# Altium PCB Flow_Pump.PcbDoc (part 1 of 5) (continued)
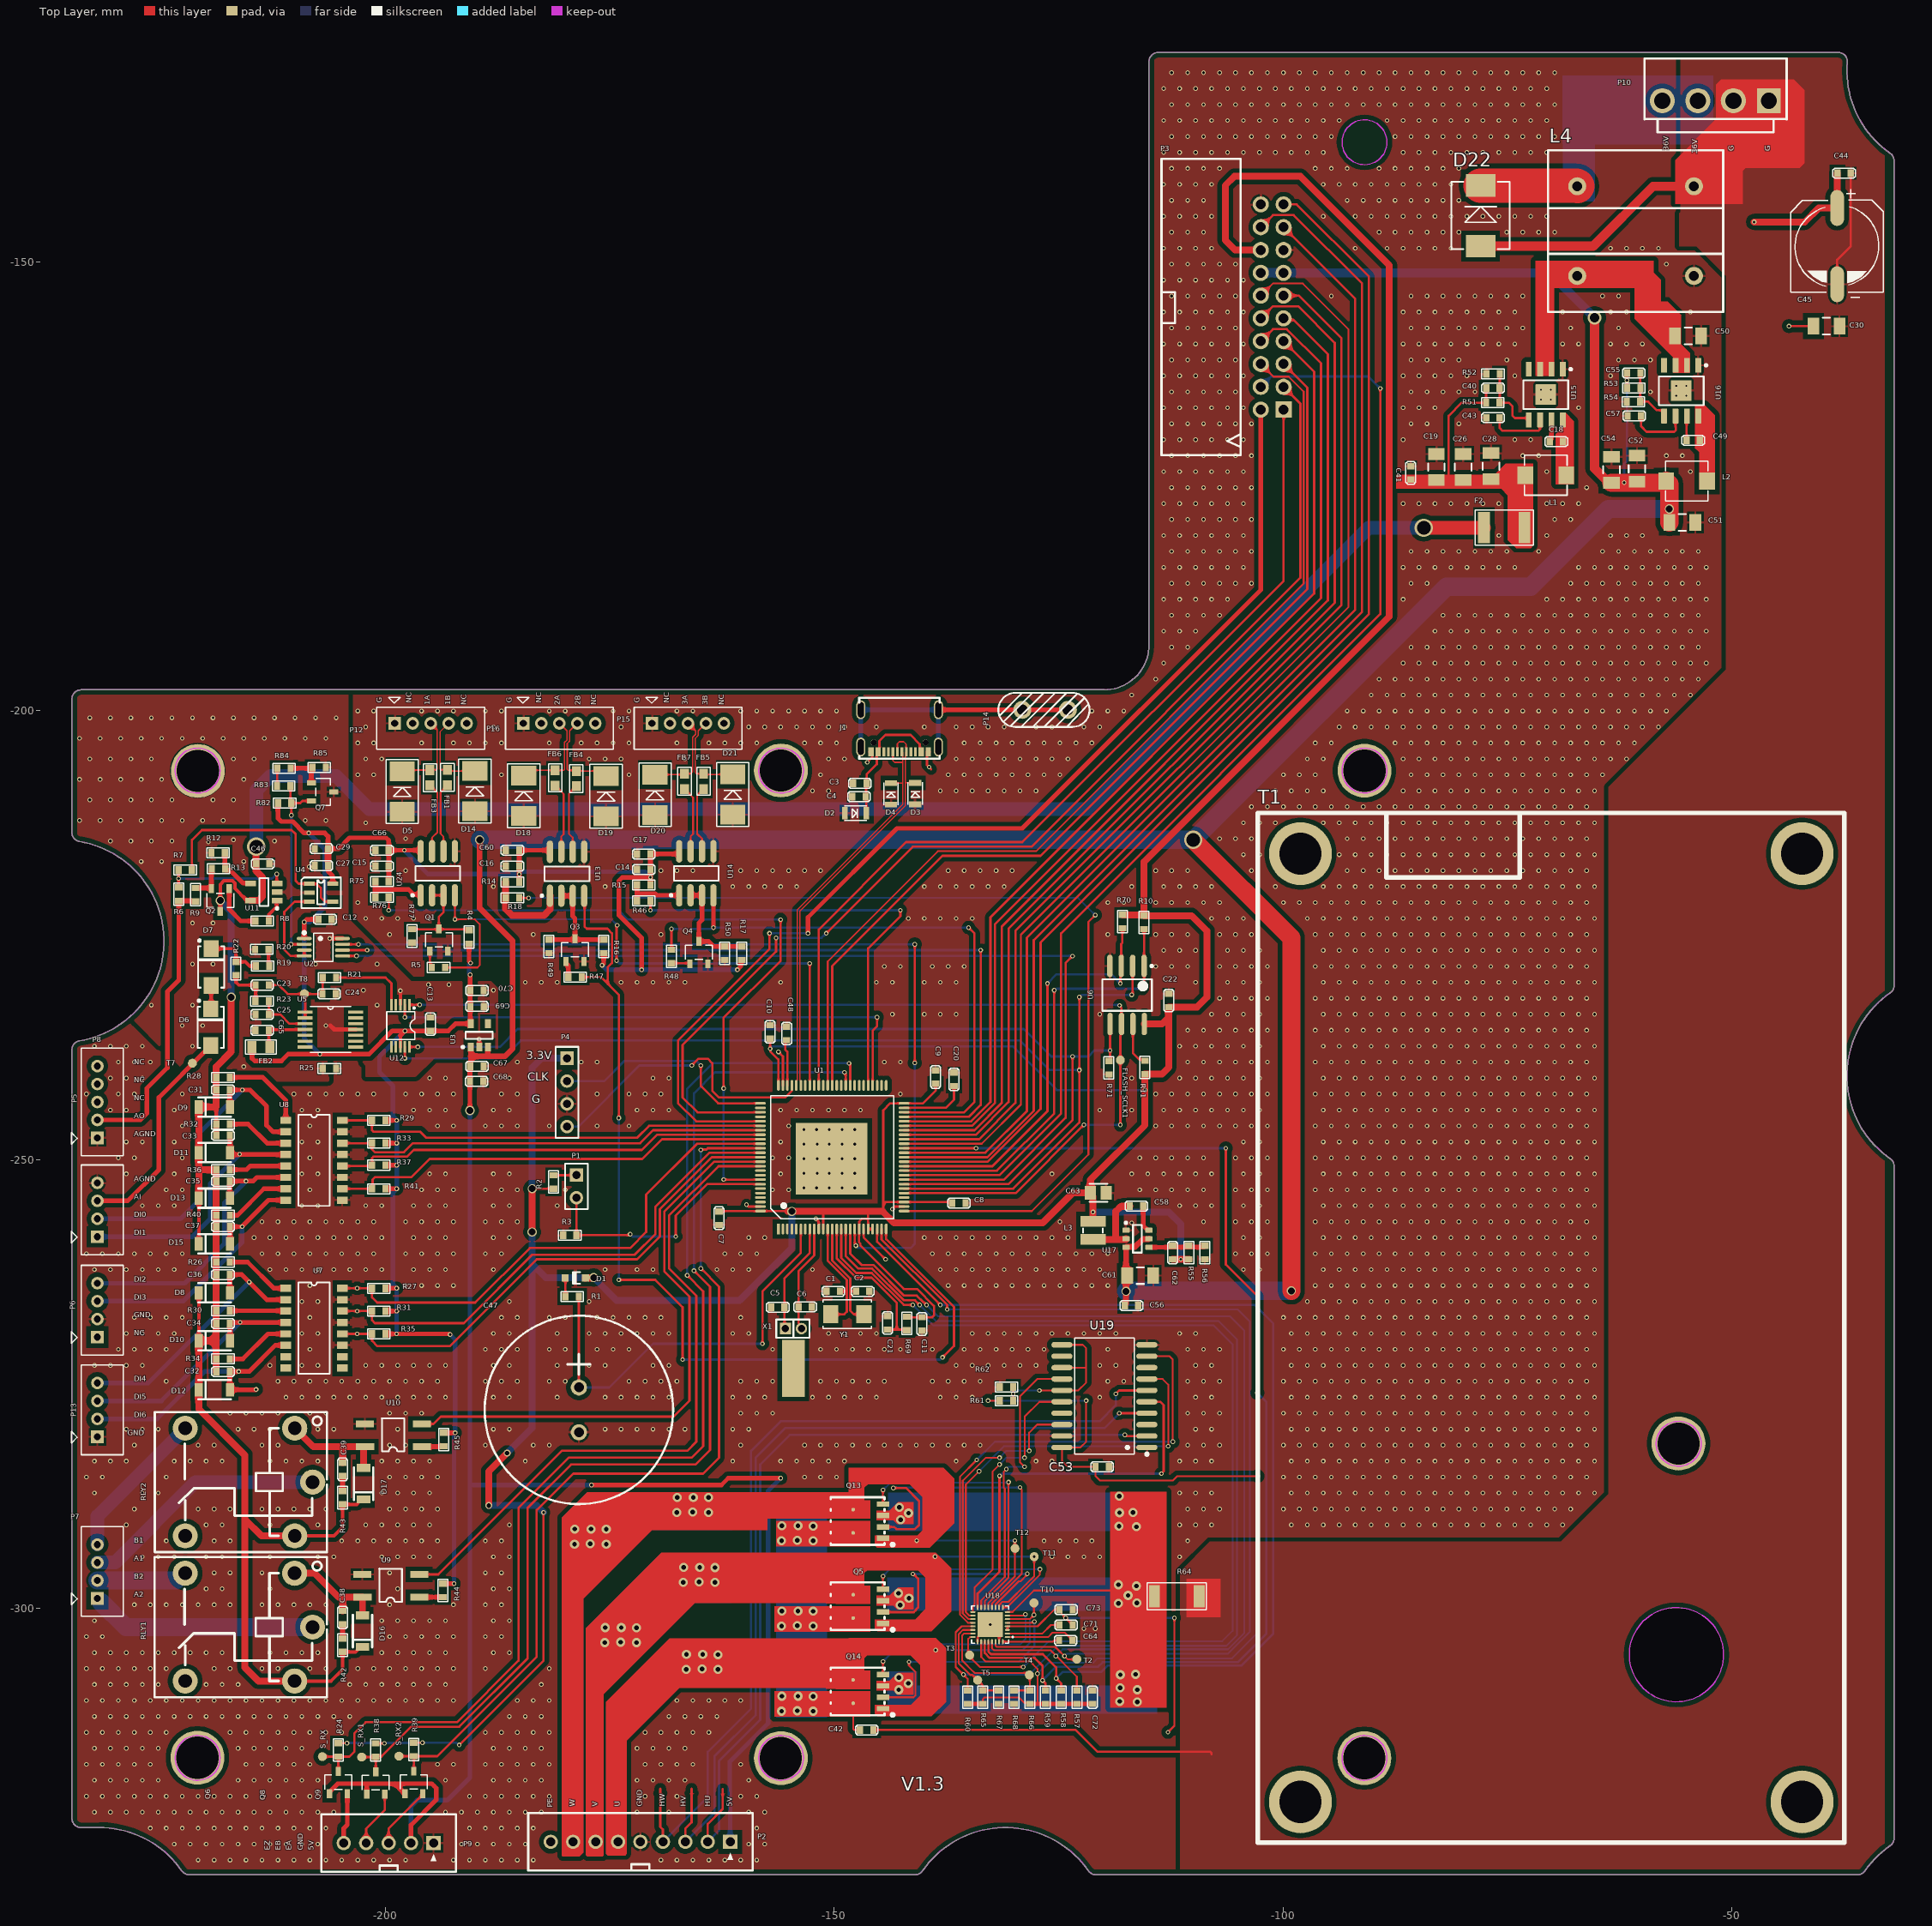
[diagram p0: Top Layer view]
## Components (designator, comment, footprint, x,y, rotation, side; value= is the part's Value field where it differs from the comment) (continued)
R35 "5.1K/1%" 0603R -199.986,-269.418 r180 top
R36 "3.3K/1%" 0603R -217.332,-251.13 r180 top
R37 "5.1K/1%" 0603R -199.984,-250.622 r180 top
R38 "10k/1%" 0603R -201.067,-315.042 r270 top
R39 "10k/1%" 0603R -196.825,-314.966 r270 top
R40 "3.3K/1%" 0603R -217.332,-256.21 r180 top
R41 "5.1K/1%" 0603R -199.984,-253.252 r180 top
R42 "51K" 0603R -204.755,-303.346 r270 top
R43 "51K" 0603R -204.775,-286.917 r270 top
R44 "510" 0603R -193.599,-298.75 r90 top
R45 "510" 0603R -193.472,-281.94 r90 top
R46 "100" 0603R -171.958,-221.158 r0 top
R47 "1K/1%1" 0603R -178.105,-229.667 r180 top value=1K
R48 "1K/1%1" 0603R -168.123,-226.617 r270 top value=1K
R49 "10K/1%" 0603R -181.762,-227 r90 top
R50 "10K/1%" 0603R -162.204,-227.762 r90 top
R51 "100k/1%" 0603R -75.87,-165.684 r180 top
R52 "4.3k/1%" 0603R -77.343,-162.484 r0 top
R53 "100k/1%" 0603R -60.171,-164.033 r180 top
R54 "24.9k/1%" 0603R -61.698,-165.557 r0 top
R55 "33k/1%" 0603R -110.49,-259.612 r270 top
R56 "10k/1%" 0603R -108.712,-261.112 r90 top
R57 "10K/1%" 0603R -122.956,-309.142 r270 top
R58 "10K/1%" 0603R -124.703,-309.142 r270 top
R59 "10K/1%" 0603R -126.45,-309.142 r270 top
R60 "10K/1%" 0603R -135.128,-309.143 r270 top
R61 "10K/1%" 0603R -131.548,-276.86 r0 top
R62 "10K/1%" 0603R -130.048,-275.336 r180 top
R64 "0.05" 2010R -109.322,-298.653 r180 top
R65 "10K/1%" 0603R -133.437,-310.642 r90 top
R66 "10K/1%" 0603R -128.197,-310.642 r90 top
R67 "0" 0603R -131.691,-309.142 r270 top
R68 "0" 0603R -129.944,-309.142 r270 top
R69 "10k/1%" 0603R -141.91,-267.513 r270 top
R70 "100k/1%" 0603R -117.881,-222.731 r270 top
R71 "100k/1%" 0603R -119.38,-239.014 r270 top
R75 "10K/1%" 0603R -201.119,-219.033 r0 top
R76 "100" 0603R -201.119,-220.777 r0 top
R77 "10K/1%" 0603R -197.028,-225.833 r90 top
R82 "100/0.1%" 0603R -211.963,-210.287 r0 top
R83 "20K/0.1%" 0603R -210.565,-208.382 r180 top
R84 "200/0.1%" 0603R -212.041,-206.4 r0 top
R85 "20K/0.1%" 0603R -208.129,-206.299 r0 top
RLY1 "SRD-05VDC-SL-C" RELAY-TH_SRD-XXVDC-XL-C -215.201,-302.087 r180 top
RLY2 "SRD-05VDC-SL-C" RELAY-TH_SRD-XXVDC-XL-C -215.189,-285.928 r180 top
S_RX "TP" TPD#1 -207.01,-316.515 r90 top
S_RX1 "TP" TPD#1 -202.641,-316.566 r90 top
S_RX2 "TP" TPD#1 -198.476,-316.466 r90 top
T1 "SQP-1181C" SQP-1181C -42.164,-321.564 r90 top
T2 "TP" TPD#1 -122.961,-305.664 r0 top
T3 "TP" TPD#1 -134.899,-305.206 r0 top
T4 "TP" TPD#1 -128.245,-307.416 r0 top
T5 "TP" TPD#1 -134.009,-307.988 r0 top
T7 "TP" TPD#1 -221.488,-239.268 r270 top
T8 "TP" TPD#1 -209.017,-231.521 r270 top
T10 "TP" TPD#1 -127.737,-299.39 r180 top
T11 "TP" TPD#1 -127.711,-294.234 r180 top
T12 "TP" TPD#2 -129.845,-293.7 r90 top
U1 "STM32F407VET6" TQFP-100 -156.21,-257.734 r90 top
U2 "DAC8551IADGKR" VSSOP-8_L3.0-W3.0-P0.65-LS5.0-BL -206.908,-226.339 r270 top
U3 "ME6119A33M5G" MCRN-SOT23-5_V -189.535,-236.163 r90 top
U4 "AD8605ARTZ-REEL7" SOT-23-5 -207.162,-220.269 r0 top
U5 "TLV9004IPWR" TSSOP14 -206.104,-235.509 r0 top
U6 "FM25W32AI3-SO-T-G3" SOIC127P790X216-8N -117.348,-231.546 r270 top
U7 "TLP291-4" SOP16-T -211.093,-264.338 r0 top
U8 "TLP291-4" SOP16-T -211.093,-245.632 r0 top
U9 "AQY210S" SOP4 -196.218,-298.75 r180 top
U10 "AQY210S" SOP4 -195.936,-281.991 r180 top
U11 "TL071HIDBVR" DBV0005A_M -213.538,-220.193 r180 top
U12 "ADS1118IDGSR" VSSOP-10_L3.0-W3.0-P0.50-LS4.9-BL -198.323,-235.102 r180 top
U13 "THVD1400" MAXM-S8+4_M -179.756,-218.161 r90 top value=MAX33071EASA+
U14 "THVD1400" MAXM-S8+4_M -165.354,-218.11 r90 top value=MAX33071EASA+
U15 "LMR36520FADDAR" DDA0008A_M -70.714,-164.77 r270 top
U16 "LMR36520FADDAR" DDA0008A_M -55.626,-164.338 r270 top
U17 "TPS562201DDCR" DDC0006A_L -116.205,-258.819 r0 top
U18 "DRV8306HRSMR" VQFN-32_L4.0-W4.0-P0.40-BL-EP -132.613,-301.801 r90 top
U19 "SN74CBT3244DWR" SOIC-20_L13.0-W7.6-P1.27-LS10.3-BL -119.888,-276.352 r90 top
U24 "THVD1400" MAXM-S8+4_M -194.158,-218.11 r90 top value=MAX33071EASA+
U28 "'" CONN-SMD_YTC1P-3015-01 -214.249,-275.565 r180 bottom
U29 "'" CONN-SMD_YTC1P-3015-01 -141.808,-276.657 r0 bottom
X1 "X308032768KGB2SC" A -155.423,-268.834 r0 top
Y1 "XG1EL89CSI-111YLC-8M" CRAY_5032 -146.687,-267.233 r180 top value=8M

## Footprints (in the part's own frame and the unit in brackets; to place one, negate y for a bottom-side part, rotate by r counter-clockwise, add the part's x,y. Pads: shape width x height; smd on the part's side, far side on the other; paste and mask are expansions set on the pad)
0603C [mm]
  rect 0.7x0.85 smd: 1(0,0) 2(1.5,0)
  silkscreen extent -0.5,-0.55 2,0.55
0603R [mm]
  rect 0.7x0.85 smd: 1(0,0) 2(1.5,0)
  silkscreen extent -0.5,-0.55 2,0.55
0805R [mm]
  rect 1x1.3 smd: 1(0,0) 2(2,0)
  silkscreen extent -0.7,-0.8 2.7,0.8
1812-F [mm]
  rect 1.3x3.5 smd: 1(0,0) 2(4.5,0)
  silkscreen extent -1,-1.95 5.5,1.95
2010R [mm]
  rect 1.2x2.5 smd: 1(0,0) 2(5,0)
  silkscreen extent -0.8,-1.5 5.8,1.5
A [mil]
  round 50 hole 32: 1(70,0)
  rect 50x50 hole 32: 2(0,0)
  rect 100x250 smd: 3(34.37,-175)
  silkscreen extent -40,-40 105,40
CAP-TH_BD21.0-P5.00-D0.8_CENXXX-CF [mm]
  round 1.8 hole 1.1 paste-2539.97 mask+0.05: 1(-2.5,0) 2(2.5,0)
  silkscreen extent -10.5,-10.5 10.5,10.5
CAPC2012X127N_0805 [mm] "Chip Capacitor, 0805"
  round 0.254 on Mech3: 0(0,0)
  rect 1.25x1.5 smd: 1(-0.875,0) 2(0.875,0)
  silkscreen extent -1,-1 1,1, body extent -1,-0.6 1,0.6, height 1.27
CAPC3216X156N_1206 [mm] "Chip Capacitor, 1206"
  round 0.254 on Mech3: 0(0,0)
  rect 1.3x1.85 smd: 1(-1.45,0) 2(1.45,0)
  silkscreen extent -0.4,-0.92 0.4,0.93, body extent -1.6,-0.8 1.6,0.8, height 1.52
CONN#PH2.0-4A [mm]
  rect 1.4x1.4 / inner round 1.2 / far side rect 1.4x1.4 hole 0.8: 1(0,0)
  round 1.4 / inner round 1.2 / far side round 1.4 hole 0.8: 2(0,2) 3(0,4) 4(0,6)
  silkscreen extent -2.9,-2 2.9,8, body extent -1.7,-1.95 3,7.95, height 6.01
CONN#PH2.0-5A [mm]
  rect 1.4x1.4 / inner round 1.2 / far side rect 1.4x1.4 hole 0.8: 1(0,0)
  round 1.4 / inner round 1.2 / far side round 1.4 hole 0.8: 2(0,2) 3(0,4) 4(0,6) 5(0,8)
  silkscreen extent -2.9,-2 2.9,10, body extent -1.7,-1.95 3,9.95, height 6.01
CONN-SMD_YTC1P-3015-01 [mm]
  round 2.3 smd paste+0 mask+0.05: 1(0,0)
  silkscreen extent -1.55,-1.54 1.54,1.54
CONN-TH_4P-P3.96_HX-VH3.96-4P-ZZ [mm]
  rect 2.6x2.8 hole 1.8 paste-2539.97 mask+0.05: 1(-5.94,0)
  round 2.8 hole 1.8 copper offset 0,0 paste-2539.97 mask+0.05: 2(-1.98,0)
  round 2.8 hole 1.8 paste-2539.97 mask+0.05: 3(1.98,0) 4(5.94,0)
  silkscreen extent -7.92,-4.7 7.92,3.52
CRAY_5032 [mm]
  rect 1.7x2 smd: 1(0,0) 2(3.7,0)
  silkscreen extent -0.86,-1.6 4.55,1.6
DBV0005A_M [mm] "SOT23, 5-Leads, Body 3.05x1.75mm, Pitch 0.95mm, IPC Low Density"
  rrect15% 1.2x0.65 smd: 1(-1.475,0.95) 2(-1.475,0) 3(-1.475,-0.95) 4(1.475,-0.95) 5(1.475,0.95)
  silkscreen extent -1.6,-1.55 0.5,1.95, body extent -1.42,-1.46 1.42,1.46, height 1.08
DDA0008A_M [mm] "SOP, 8-Leads, Body 4x5mm, Pitch 1.27mm, Thermal Pad 2.29x2.29mm, IPC Low Density"
  rrect15% 1.65x0.65 smd: 1(-2.825,1.905) 2(-2.825,0.635) 3(-2.825,-0.635) 4(-2.825,-1.905) 5(2.825,-1.905) 6(2.825,-0.635) 7(2.825,0.635) 8(2.825,1.905)
  rrect4% 2.29x2.29 smd: 9(0,0)
  silkscreen extent -2.95,-2.5 1.6,2.91, body extent -2.98,-2.45 2.98,2.45, height 1.55
DDC0006A_L [mm] "SOT23, 6-Leads, Body 3.05x1.75mm, Pitch 0.95mm, IPC High Density"
  rrect18% 0.8x0.55 smd: 1(-1.275,0.95) 2(-1.275,0) 3(-1.275,-0.95) 4(1.275,-0.95) 5(1.275,0) 6(1.275,0.95)
  silkscreen extent -1.4,-1.55 0.5,1.9, body extent -1.43,-1.48 1.43,1.49, height 0.9
DFN-8_L5.5-W5.2-P1.27-LS6.0-BL-EP2 [mil] "TO-252"
  rect 24x55 smd paste+2: 1(-75,-65.35) 2(-25,-65.35) 3(25,-65.35) 4(75,-65.35)
  round 15.97 smd: 5(51.18,65.35) 6(-51.18,65.35)
  Top Layer region: 11.26,-10.14 11.26,140.85 12.8,140.85 12.8,184.86 37.36,184.86 37.36,140.85 62.95,140.85 62.95,184.86 87.52,184.86 87.52,140.85 91.1,140.85 91.1,-10.14 11.26,-10.14
  Top Layer region: -91.1,-10.14 -91.1,140.85 -87.52,140.85 -87.52,184.86 -62.44,184.86 -62.44,140.85 -37.87,140.85 -37.87,184.86 -12.28,184.86 -12.28,140.85 -11.26,140.85 -11.26,-10.14 -91.1,-10.14
  silkscreen extent -107,-113 105,164
DIOD-SOD323-2_V [mm] "SOD-323, 2-Leads, Body 1.7x1.3mm, Lead Span 2.5mm"
  rect 0.8x0.8 smd: 1(-1.125,0) 2(1.125,0)
  silkscreen extent -0.56,-0.65 0.26,0.65, body extent -1.21,-0.65 1.31,0.65, height 1.13
DO-213AB/LL34/MINIMELF [mm]
  rect 0.9x1.5 smd: 1(1.75,0) 2(-1.75,0)
  silkscreen extent -1.8,-1.08 1.8,1.08
DO-214AC [mm] "Molded Diode, 2-Leads, Body 4.3x2.7mm, IPC Medium Density"
  rect 1.85x1.7 smd: 1(-2.05,0) 2(2.05,0)
  silkscreen extent -2.3,-1.45 3.07,1.45, body extent -2.3,-1.45 2.3,1.45, height 2.44
FBC0603 [mm]
  rect 1.1x1 smd: 1(0,0) 2(1.7,0)
  silkscreen extent -0.7,-0.75 2.4,0.75
FILTER-TH_4P-L19.5-W18.0-P10.00-D0.7-S13.00 [mm]
  round 2 hole 1.1 paste-2539.97: 1(-6.5,5) 2(-6.5,-5) 3(6.5,-5) 4(6.5,5)
  silkscreen extent -9.75,-9 9.75,9
HDR1X2 [mm] "Connector; Header; 2 Position"
  rect 1.5x1.5 hole 0.9: 1(0,0)
  round 1.5 hole 0.9: 2(2.54,0)
  silkscreen extent -1.27,-1.27 3.81,1.27
HDR1X4 [mm] "Connector; Header; 4 Position"
  rect 1.5x1.5 hole 0.9: 1(0,0)
  round 1.5 hole 0.9: 2(2.54,0) 3(5.08,0) 4(7.62,0)
  silkscreen extent -1.27,-1.27 8.89,1.27
IDC-TH_20P-L33.0-W13.8-H-M-R2-C10-P2.54-S2.54-TR [mm]
  rect 1.8x1.8 hole 1.1: 1(11.43,1.27)
  round 1.8 hole 1.1: 2(11.43,-1.27) 3(8.89,1.27) 4(8.89,-1.27) 5(6.35,1.27) 6(6.35,-1.27) 7(3.81,1.27) 8(3.81,-1.27) 9(1.27,1.27) 10(1.27,-1.27) 11(-1.27,1.27) 12(-1.27,-1.27) 13(-3.81,1.27) 14(-3.81,-1.27) 15(-6.35,1.27) 16(-6.35,-1.27) 17(-8.89,1.27) 18(-8.89,-1.27) 19(-11.43,1.27) 20(-11.43,-1.27)
  silkscreen extent -16.51,-12.32 16.51,-3.52
IND-SMD_L4.5-W4.5_SMMS0420 [mm]
  rect 1.724x1.92 smd: 1(2.278,0) 2(-2.278,0)
  silkscreen extent -2.38,-2.23 2.38,2.23
MAXM-S8+4_M [mm] "SOIC, 8-Leads, Body 4.9x3.9mm, Pitch 1.27mm, IPC Low Density"
  oval 2.5x0.7 smd: 1(-2.45,1.905) 2(-2.45,0.635) 3(-2.45,-0.635) 4(-2.45,-1.905) 5(2.45,-1.905) 6(2.45,-0.635) 7(2.45,0.635) 8(2.45,1.905)
  silkscreen extent -2.57,-2.5 0.8,2.93, body extent -2,-2.5 2,2.5, height 1.75
MCRN-SOT23-5_V [mm] "SOT-23, 5-Leads, Body 3x1.7mm, Pitch 0.95mm"
  rect 1x0.66 smd: 1(-1.3,0.95) 2(-1.3,0) 3(-1.3,-0.95) 4(1.3,-0.95) 5(1.3,0.95)
  silkscreen extent -1.42,-1.5 0.4,1.95, body extent -1.5,-1.5 1.5,1.5, height 1.45
PULS-BDCD00252012_V [mm] "SMD, 2 Leads, Body 2.5 x 2.0mm"
  rect 1.2x2.8 smd: 1(-1,0) 2(1,0)
  silkscreen extent -0.23,-1.1 0.23,1.1, body extent -1.25,-1 1.25,1, height 1.2
RELAY-TH_SRD-XXVDC-XL-C [mil]
  round 110 hole 60: 1(-200.79,-236.22) 2(279.53,-236.2) 3(279.53,236.2) 4(-200.79,236.22) 5(-279.53,0)
  silkscreen extent -342,-307 413,307
SMB [mm]
  rect 2.2x2.8 smd: 1(0,0) 2(4.5,0)
  silkscreen extent -1.3,-1.8 5.8,1.8
SMC [mm]
  rect 2.5x3.3 smd: 1(0,0) 2(6.75,0)
  silkscreen extent -0.35,-3.25 7.15,3.25
SOD323 [mm]
  rect 0.65x1.35 smd: 1(0,0) 2(2.4,0)
  silkscreen extent -0.03,-0.8 2.44,0.8
SOIC127P790X216-8N [mm] "SOIC, 8-Leads, Body 5.5x5.5mm (max), Pitch 1.27mm, IPC Medium Density"
  oval 2.5x0.6 smd: 1(-3.121,1.88) 2(-3.121,0.61) 3(-3.121,-0.66) 4(-3.121,-1.93) 5(3.35,-1.905) 6(3.35,-0.635) 7(3.35,0.635) 8(3.35,1.905)
  silkscreen extent -3.25,-2.75 1.88,2.85, body extent -2.75,-2.75 2.74,2.75, height 2.16
SOIC-20_L13.0-W7.6-P1.27-LS10.3-BL [mm]
  oval 0.595x2.36 smd paste+0.051: 1(-5.715,-4.73) 2(-4.445,-4.73) 3(-3.175,-4.73) 4(-1.905,-4.73) 5(-0.635,-4.73) 6(0.635,-4.73) 7(1.905,-4.73) 8(3.175,-4.73) 9(4.445,-4.73) 10(5.715,-4.73) 11(5.715,4.73) 12(4.445,4.73) 13(3.175,4.73) 14(1.905,4.73) 15(0.635,4.73) 16(-0.635,4.73) 17(-1.905,4.73) 18(-3.175,4.73) 19(-4.445,4.73) 20(-5.715,4.73)
  silkscreen extent -6.61,-4.88 6.48,3.32
SOP4 [mil]
  rect 80x30 smd: 1(0,0) 2(0,-100) 3(250,-100) 4(249,0)
  silkscreen extent 76,-125 176,21
SOP16-T [mm]
  rect 1.2x0.8 smd: 1(0,0) 2(0,-1.27) 3(0,-2.54) 4(0,-3.81) 5(0,-5.08) 6(0,-6.35) 7(0,-7.62) 8(0,-8.89) 9(6.3,-8.89) 10(6.3,-7.62) 11(6.3,-6.35) 12(6.3,-5.08) 13(6.3,-3.81) 14(6.3,-2.54) 15(6.3,-1.27) 16(6.3,0)
  silkscreen extent 1.41,-9.53 4.89,0.64
SOT23-3 [mm]
  rect 1x0.6 smd: 1(0,0) 2(0,2) 3(-2.5,1)
  silkscreen extent -2.1,-0.5 -0.5,2.5
SOT-23-5 [mm]
  rect 1.2x0.5 smd: 1(-1.3,1) 2(-1.3,0) 3(-1.3,-1) 4(1.3,-1) 5(1.3,1)
  silkscreen extent -2.2,-1.7 2.2,1.7
SQP-1181C [mm]
  round 7 hole 4.7: 1(0,55.88) 1(0,0) 1(105.65,0) 1(105.65,55.88)
  silkscreen extent -4.52,-4.7 110.18,60.63
TPD#1 [mm]
  round 1 smd: 1(0,0)
TPD#2 [mm]
  round 1 smd: 1(0.381,0)
TQFP-100 [mm]
  rect 1.2x0.3 smd: 1(0,0)
  oval 1.2x0.3 smd: 2(0,-0.5) 3(0,-1) 4(0,-1.5) 5(0,-2) 6(0,-2.5) 7(0,-3) 8(0,-3.5) 9(0,-4) 10(0,-4.5) 11(0,-5) 12(0,-5.5) 13(0,-6) 14(0,-6.5) 15(0,-7) 16(0,-7.5) 17(0,-8) 18(0,-8.5) 19(0,-9) 20(0,-9.5) 21(0,-10) 22(0,-10.5) 23(0,-11) 24(0,-11.5) 25(0,-12) 51(16,-12) 52(16,-11.5) 53(16,-11) 54(16,-10.5) 55(16,-10) 56(16,-9.5) 57(16,-9) 58(16,-8.5) 59(16,-8) 60(16,-7.5) 61(16,-7) 62(16,-6.5) 63(16,-6) 64(16,-5.5) 65(16,-5) 66(16,-4.5) 67(16,-4) 68(16,-3.5) 69(16,-3) 70(16,-2.5) 71(16,-2) 72(16,-1.5) 73(16,-1) 74(16,-0.5) 75(16,0)
  oval 0.3x1.2 smd: 26(2,-14) 27(2.5,-14) 28(3,-14) 29(3.5,-14) 30(4,-14) 31(4.5,-14) 32(5,-14) 33(5.5,-14) 34(6,-14) 35(6.5,-14) 36(7,-14) 37(7.5,-14) 38(8,-14) 39(8.5,-14) 40(9,-14) 41(9.5,-14) 42(10,-14) 43(10.5,-14) 44(11,-14) 45(11.5,-14) 46(12,-14) 47(12.5,-14) 48(13,-14) 49(13.5,-14) 50(14,-14) 76(14,2) 77(13.5,2) 78(13,2) 79(12.5,2) 80(12,2) 81(11.5,2) 82(11,2) 83(10.5,2) 84(10,2) 85(9.5,2) 86(9,2) 87(8.5,2) 88(8,2) 89(7.5,2) 90(7,2) 91(6.5,2) 92(6,2) 93(5.5,2) 94(5,2) 95(4.5,2) 96(4,2) 97(3.5,2) 98(3,2) 99(2.5,2) 100(2,2)
  rect 8x8 smd: 101(7.823,-5.918)
  silkscreen extent 1.13,-12.86 14.86,0.87
TSSOP14 [mil]
  rect 66x14 smd: 1(-111,76.77) 2(-111,51.18) 3(-111,25.59) 4(-111,0) 5(-111,-25.59) 6(-111,-51.18) 7(-111,-76.77) 8(111,-76.77) 9(111,-51.18) 10(111,-25.59) 11(111,0) 12(111,25.59) 13(111,51.18) 14(111,76.77)
  silkscreen extent -88,-100 88,100
TYPEC_16P [mm]
  oval 1x2.1 hole 0.65 slot 1.7 at 90 deg: 1(-4.32,3.759) 1(-4.32,-0.391) 1(4.32,3.759) 1(4.32,-0.391)
  round 0.67 hole 0.67: 2(-2.89,3.259) 2(2.89,3.259)
  rect 0.3x1 smd: A1(-3.05,4.293) A4(-2.25,4.293) A5(-1.25,4.293) A6(-0.25,4.293) A7(0.25,4.293) A8(1.25,4.293) A9(2.25,4.293) A12(3.35,4.293) B1(3.05,4.293) B4(2.55,4.293) B5(1.75,4.293) B6(0.75,4.293) B7(-0.75,4.293) B8(-1.75,4.293) B9(-2.55,4.293) B12(-3.35,4.293)
  silkscreen extent -4.45,-1.73 4.49,5.07
VQFN-32_L4.0-W4.0-P0.40-BL-EP [mm]
  oval 0.2x0.58 smd paste+0.051: 1(-1.4,-1.917) 2(-1,-1.917) 3(-0.6,-1.917) 4(-0.2,-1.917) 5(0.2,-1.917) 6(0.6,-1.917) 7(1,-1.917) 8(1.4,-1.917) 17(1.4,1.917) 18(1,1.917) 19(0.6,1.917) 20(0.2,1.917) 21(-0.2,1.917) 22(-0.6,1.917) 23(-1,1.917) 24(-1.4,1.917)
  oval 0.58x0.2 smd paste+0.051: 9(1.917,-1.4) 10(1.917,-1) 11(1.917,-0.6) 12(1.917,-0.2) 13(1.917,0.2) 14(1.917,0.6) 15(1.917,1) 16(1.917,1.4) 25(-1.917,1.4) 26(-1.917,1) 27(-1.917,0.6) 28(-1.917,0.2) 29(-1.917,-0.2) 30(-1.917,-0.6) 31(-1.917,-1) 32(-1.917,-1.4)
  rect 2.8x2.8 smd paste+0.051: 33(0,0)
  silkscreen extent -2.08,-2.58 2.08,2.08
VSSOP-8_L3.0-W3.0-P0.65-LS5.0-BL [mm]
  oval 0.364x1.662 smd paste+0.051: 1(-0.975,-2.131) 2(-0.325,-2.131) 3(0.325,-2.131) 4(0.975,-2.131) 5(0.975,2.131) 6(0.325,2.131) 7(-0.325,2.131) 8(-0.975,2.131)
  silkscreen extent -1.76,-2.28 1.58,1.07
VSSOP-10_L3.0-W3.0-P0.50-LS4.9-BL [mm]
  rect 0.3x1.3 smd paste+0 mask+0.051: 1(-1,-2.35) 2(-0.5,-2.35) 3(0,-2.35) 4(0.5,-2.35) 5(1,-2.35) 6(1,2.35) 7(0.5,2.35) 8(0,2.35) 9(-0.5,2.35) 10(-1,2.35)
  silkscreen extent -1.62,-2.08 1.52,1.54
XA2.5-5P [mm] "间距2.5mm"
  rect 1.6x1.6 hole 1: 1(5,0)
  round 1.6 hole 1: 2(2.5,0) 3(0,0) 4(-2.5,0) 5(-5,0)
  silkscreen extent -7.5,-3.2 7.5,3.2
XA2.5-9P [mm] "间距2.5mm"
  rect 1.6x1.6 hole 1: 1(10,0)
  round 1.6 hole 1: 2(7.5,0) 3(5,0) 4(2.5,0) 5(0,0) 6(-2.5,0) 7(-5,0) 8(-7.5,0) 9(-10,0)
  silkscreen extent -12.5,-3.2 12.5,3.2
Φ10×10 [mm]
  oval 1.524x4 smd: 1(0,4.25) 2(0,-4.25)
  silkscreen extent -5.15,-5.71 5.15,6.35
插片端子4.8*0.8mm [mm] "4.8*0.8mm"
  round 2 hole 1.2: 1(0,0) 2(5.08,0)
  silkscreen extent -2.41,-1.91 7.74,1.91, body extent -0.58,-0.25 5.67,0.25, height 8.55

## Part data
C1 C2 C3 C4 C21: library part CAP, Package=0603
C5 C6 C8 C9 C10 C11 C20 C23 C25 C31 C32 C33 C34 C35 C36 C37 C48: library part Cap, "Capacitor", Package=0603
C7 C12 C13 C14 C15 C16 C17 C24 C27 C29 C44 C46 C53 C60 C64 C65 C66 C67 C68 C69 C71 C72 C73: library part Capacitor_0603, "Capacitor, MLCC", Package=0603, Voltage Rating=[voltage]
C18 C40 C41 C42 C43 C49 C55 C56 C57 C58 C62: library part Capacitor_0603, Package=0603, Voltage Rating=[voltage]
C19 C26 C28 C30 C50 C51 C52 C54: library part Capacitor_1206, Package=1206, Voltage Rating=[voltage]
C22: library part C, "C", Package=0603
C38 C39: library part CAP, "Capacitor", Package=0603
C45: library part "Cap Pol1", "Polarized Capacitor (Radial)", Package=Φ10×10
C47: library part CAP2, "电解电容"
C61: library part Capacitor_0805, Package=1206, Voltage Rating=[voltage]
C63: library part Capacitor_0805, Package=0805, Voltage Rating=[voltage]
C70: library part Capacitor_0402, "Capacitor, MLCC", Package=0603C, Voltage Rating=[voltage]
D1: Package=DIOD-SOD323-2_V, Voltage Temperature Coefficient=0.25mV/C, Voltage Tolerance=5%, Vz - Zener Voltage=12V, Zener Current=5mA, Width=1.4mm, Zz - Zener Impedance=40Ohms
D2 D3 D4: library part "DIODE S", Package=SOD323
D5 D14 D18 D19 D20 D21: library part SMAJ12CA, "Transient Voltage Suppression Diode, 400 W, 33 V, -65 to 150 degC, 2-Pin SMD, RoHS, Tape and Reel", Package=SMB
D6 D7: library part Diode, "Default Diode", Package=DO-214AC
D8 D9 D10 D11 D12 D13 D15 D16 D17: "VISHAY,LL4148,圆柱体MiniMELF100V/2A,ROHS", Package=DO-213AB/LL34/MiniMELF, 制造商=VISHAY, 名称=快速开关二极管, 版本=V1.00, 物料编号=APLLY
D22: library part SMAJ12CA, "Transient Voltage Suppression Diode, 400 W, 33 V, -65 to 150 degC, 2-Pin SMD, RoHS, Tape and Reel", Manufacturer=Littelfuse, PartNumber=SMCJ30CA
F2: library part FBC0603, "Ferrite Bead Chip", Package=1812-F
FB1 FB3 FB4 FB5 FB6 FB7: library part FBC0603, "Ferrite Bead Chip", Package=FBC0603
FB2: library part FB, Package=0805R
FLASH_SCLK1: Package=tpd
J1: Package=TYPEC_16P
L1 L2: library part 1276AS-H-100M=P2, "Metal alloy Power Inductor, 10 uH, ±20%, 1210 (3225)", Package=IND-SMD_L4.5-W4.5_SMMS0420
L3: library part BDCD002520122R2MS1, Package=PULS-BDCD00252012_V
P1: Package=HDR1X2
P2: library part "Header 9", "Header, 9-Pin", Package=XA2.5-9P
P3: library part "Header 10X2", "Header, 10-Pin, Dual row", Package=IDC-TH_20P-L33.0-W13.8-H-M-R2-C10-P2.54-S2.54-TR
P4: library part "Header 4", Package=HDR1X4
P5 P6 P7 P13: library part "Header 4", "Header, 4-Pin", Package=CONN#PH2.0-4A
P8 P12 P15 P16: library part "Header 5", "Header, 5-Pin", Package=CONN#PH2.0-5A
P9: library part "Header 5", "Header, 5-Pin", Package=XA2.5-5P
P10: library part "Header 4", "Header, 4-Pin", Package=CONN-TH_4P-P3.96_HX-VH3.96-4P-ZZ
P14: "Header, 2-Pin", Package=插片端子4.8*0.8mm
Q1 Q3 Q4: library part NPN_MMBT3904, Package=SOT23-3
Q2: library part NPN, "NPN Bipolar Transistor", Package=SOT23-3
Q5 Q13 Q14: Package=DFN-8_L5.5-W5.2-P1.27-LS6.0-BL-EP2
Q6 Q8 Q9: library part BUK92150-55A, "BUK92150-55A", Package=SOT23-3
Q7: library part PUT, "Programmable Unijunction Transistor", Package=SOT23-3
R1 R19 R20 R22 R23 R25 R26 R27 R28 R29 R30 R31 R32 R33 R34 R35 R36 R37 R40 R41 R42 R43: library part Res0805M, Package=0603
R2 R3 R57 R58 R59 R60 R61 R62 R65 R66 R67 R68 R69: library part R, Package=0603
R4 R14 R15 R16 R17 R18 R21 R46 R49 R50 R75 R76 R77: library part Resistor_0603, "Resistor, Standard", Package=0603
R5 R47 R48: library part RES0603, Package=0603, 制造商=三星/YAGEO, 参数值=1.00E+04, 器件等级=——, 工作温度="–55°C to 155°C", 序号=109, 物料主编码(PN)=150000040, 物料名称=贴片电阻, 物料描述=RES,贴片电阻,0603,10k,±1%,1/10W,1.6X0.8X0.45mm,RC1608F103CS/RC0603FR-0710KL, 物料类型=表贴电阻, 精度=±1%, 规格型号(完整型号)=RC1608F103CS/RC0603FR-0710KL
R6 R7 R8 R9 R10 R11 R12 R13 R70 R71 R82 R83 R84 R85: library part Res1, "Resistor", Package=0603
R24 R38 R39: library part Res2, "Resistor", Package=0603
R44 R45: library part RES2, Package=0603
R51 R52 R53 R54 R55 R56: library part Resistor_0603, Package=0603
R64: library part Resistor_0603, "Resistor, Standard", Package=2010R
RLY1 RLY2: Package=RELAY-TH_SRD-XXVDC-XL-C
S_RX S_RX1 S_RX2 T7 T8 T10 T11 T12: Package=TPD
T1: library part TP
U1: Package=TQFP-100
U2: Package=VSSOP-8_L3.0-W3.0-P0.65-LS5.0-BL
U3: library part ME6119C50M5G, "High Speed LDO Regulators, Low ESR, 5.0 V, 400 mA, -40 to 125 degC, 5-Pin SOT-23, RoHS, Tape and Reel", Package=MCRN-SOT23-5_V
U4: library part AD8615, Package=sot-23-5
U5: library part MAX908EPD, "Quad High-speed, Ultra Low-power, Single-Supply TTL comparator", Package=TSSOP14
U6: library part M25P16-VMN6TPBA, Package=SOIC127P790X216-8N
U7 U8: library part TLP281-4, Package=SOP16-T
U9 U10: library part Optoisolator1, "4-Pin Phototransistor Optocoupler", Package=sop4
U11: "Low-Noise FET-Input Operational Amplifier, 4.5 V to 40 V,  -40 to 125 degC, 5-Pin SOT-23 (DBV), Green (RoHS & no Sb/Br), Tape and Reel", Package=DBV0005A_M
U12: library part ADS1118IDGSR_C55347, Package=VSSOP-10_L3.0-W3.0-P0.50-LS4.9-BL
U13 U14 U24: library part MAX33071EASA+, "RS-485 Half-Duplex Transceiver with ±65V Fault Protection,+3V to +5.5V, -40 to 125 degC, 8-Pin SOIC (S8+4), RoHS, Tube", Package=MAXM-S8+4_M, Vin="3.2 to 12.6 V", Vout="3.000 V"
U15 U16: Package=DDA0008A_M
U17: Package=DDC0006A_L, Width="1.01 mm"
U18: Package=VQFN-32_L4.0-W4.0-P0.40-BL-EP
U19: library part SN74CBT3244PWRE4, Symbol=SN74CBT3244DWR
U28 U29: library part YTC1P-3015-01, Package=CONN-SMD_YTC1P-3015-01
X1: library part XTAL, "Crystal Oscillator", Package=A
Y1: library part XTAL, Package=CRAY_5032
L4: Symbol=UU10.5-10MH

## Free pads (board coordinates)
  round 6 hole 4.7: 2(-220.929,-316.636) 2(-220.878,-206.705) 2(-155.931,-316.687) 2(-155.931,-206.654) 2(-90.932,-316.687) 2(-90.915,-206.671) 2(-55.931,-281.635)
  round 10.5 hole 10.5: 2(-56.165,-305.171)

## Via types
v1: diameter 0.508, hole 0.305, Top Layer to Bottom Layer, tented both sides, 3107 vias
v2: diameter 0.508, hole 0.305, Top Layer to Bottom Layer, 79 vias
v3: diameter 1.016, hole 0.508, Top Layer to Bottom Layer, tented both sides, 73 vias
v4: diameter 1.016, hole 0.762, Top Layer to Bottom Layer, 11 vias
v5: diameter 0.5, hole 0.2, Top Layer to Bottom Layer, 8 vias
v6: diameter 2.032, hole 1.524, Top Layer to Bottom Layer, 3 vias
v7: diameter 0.762, hole 0.508, Top Layer to Bottom Layer, tented both sides, 2 vias
v8: diameter 1.524, hole 1.016, Top Layer to Bottom Layer, 1 vias

## Nets (pads, with @x,y where several pads share a name; then routed paths per layer and width w, separated by ;. In a path a pad name is that pad's centre, name@x,y a point inside that pad or via, vN(x,y) a via of type N, cw(c..) or ccw(c..) an arc to the next point about the centre after c; other vN are vias at no path point)
3.3V_ISO: C12.1 C13.1 C14.1 C15.1 C16.1 C17.1 C27.1 C29.1 C60.1 C66.1 C69.1 C70.1 FB2.1 R4.2 R14.2 R15.2 R16.2 R17.2 R27.1 R29.1 R31.1 R33.1 R35.1 R37.1 R41.1 R44.2 R45.2 R75.2 R82.1 U2.1 U3.5 U4.5 U12.8 U13.8 U14.8 U24.8 | length 255.6
  Top Layer w0.381: U12.8@-198.323,-237.452 -198.323,-236.169
  Top Layer w0.508: FB2.1@-214.859,-237.465 -214.859,-238.716 -214.561,-239.014 -211.582,-239.014 -210.82,-238.252 -201.798,-238.252 -199.208,-235.663 v1(-197.817,-235.663) ; R82.1@-211.963,-210.287 -211.963,-211.963 -211.582,-212.344 -210.312,-212.344 -209.042,-213.614 -206.756,-213.614 -206.375,-213.995 C29.1@-206.375,-215.367 -205.207,-215.367 -203.987,-214.147 -199.916,-214.147 -199.619,-214.445 C66.1@-199.619,-215.544 ; U2.1@-209.039,-225.364 v1(-209.039,-223.538) -208.742,-223.241 C12.1@-207.467,-223.241 ; -206.375,-216.738 C27.1@-206.375,-217.246 -206.375,-217.881 -205.862,-218.394 U4.5@-205.862,-219.269 ; R35.1@-199.986,-269.418 v1(-198.735,-269.418) -192.862,-269.418 v1(-192.786,-269.494) ; R27.1@-199.986,-264.339 R27.1@-199.984,-264.338 v1(-198.733,-264.338) ; R31.1@-199.984,-266.878 v1(-198.733,-266.878) ; R41.1@-199.984,-253.252 v1(-198.733,-253.252) ; R37.1@-199.984,-250.622 v1(-198.733,-250.622) ; R33.1@-199.984,-248.172 v1(-198.733,-248.172) ; R29.1@-199.984,-245.632 v1(-198.733,-245.632) ; R75.2@-199.619,-219.033 C15.1@-199.619,-217.289 C66.1@-199.619,-215.544 ; -198.323,-236.169 v1(-197.817,-235.663) ; U24.8@-196.063,-215.66 -196.063,-215.633 -196.151,-215.544 v1(-197.885,-215.544) C66.1@-199.619,-215.544 ; R44.2@-193.599,-297.25 v1(-192.348,-297.25) ; R45.2@-193.472,-280.44 v1(-192.221,-280.44) ; R4.2@-190.678,-225.96 -190.678,-227.914 v1(-190.5,-228.092) ; v1(-190.551,-229.413) C70.1@-190.551,-231.165 -190.551,-234.797 U3.5@-190.485,-234.863 -192.191,-234.863 -192.991,-235.663 C13.1@-194.97,-235.663 v1(-197.817,-235.663) ; R14.2@-185.088,-219.083 v1(-185.088,-218.199) C16.1@-185.088,-217.314 C60.1@-185.088,-215.544 -181.749,-215.544 -181.661,-215.633 U13.8@-181.661,-215.711 ; v1(-175.853,-228.347) -175.666,-228.16 R16.2@-175.666,-227 ; v1(-171.45,-228.854) -171.45,-225.298 -173.99,-222.758 -173.99,-218.948 -173.596,-218.554 v1(-170.458,-218.554) ; R15.2@-170.458,-219.422 v1(-170.458,-218.554) ; U14.8@-167.259,-215.66 -167.259,-215.862 -167.348,-215.951 C17.1@-170.458,-215.951 C14.1@-170.458,-217.686 v1(-170.458,-218.554) ; v1(-160.782,-228.854) -160.413,-228.485 -160.413,-227.858 -160.317,-227.762 R17.2@-160.299,-227.762
  Top Layer w0.762: -206.375,-216.738 C29.1@-206.375,-215.367
  Bottom Layer w0.508: v1(-208.534,-213.614) -206.756,-215.392 -206.756,-221.904 -208.39,-223.538 v1(-209.039,-223.538) -209.039,-236.515 v1(-207.302,-238.252) ; v1(-198.735,-269.418) -198.735,-264.339 v1(-198.733,-264.338) -199.136,-263.935 -199.136,-253.655 v1(-198.733,-253.252) v1(-198.733,-250.622) v1(-198.733,-248.172) v1(-198.733,-245.632) -198.733,-245.575 -199.136,-245.172 -199.136,-241.808 -200.66,-240.284 -200.66,-238.506 v1(-197.817,-235.663) ; v1(-197.885,-215.544) -195.231,-218.199 v1(-185.088,-218.199) -184.822,-217.932 -171.08,-217.932 v1(-170.458,-218.554) ; v1(-192.786,-269.494) -192.221,-270.059 v1(-192.221,-280.44) -192.348,-280.567 v1(-192.348,-297.25) ; v1(-190.551,-229.413) -190.678,-229.286 -190.678,-228.27 v1(-190.5,-228.092) ; v1(-175.853,-228.347) -175.346,-228.854 v1(-171.45,-228.854) v1(-160.782,-228.854)
24V_F: C31.1 C32.1 C33.1 C34.1 C35.1 C36.1 C37.1 C46.1 D8.2 D9.2 D10.2 D11.2 D12.2 D13.2 D15.2 D16.2 D17.2 F2.2 Q2.3 R26.2 R28.2 R30.2 R32.2 R34.2 R36.2 R40.2 R42.2 R43.2 RLY1.4 RLY2.4 U11.5 | length 322
  Top Layer w0.381: D10.2@-220.784,-270.18 D8.2@-220.784,-264.846 ; D15.2@-220.784,-259.385 D13.2@-220.784,-254.305 ; -220.784,-251.123 -220.778,-251.13 ; -218.883,-244.145 -218.832,-244.094 R32.2@-218.832,-246.05 C33.1@-218.832,-247.32 ; Q2.3@-218.389,-222.326 -218.389,-219.35 -217.972,-218.933 -217.033,-218.933 -216.772,-219.195 -216.772,-219.778 -215.542,-221.008 -215.147,-221.008 U11.5@-215.013,-221.143 ; RLY1.4@-210.1,-308.087 -206.03,-308.087 -204.755,-306.812 R42.2@-204.755,-304.846 -203.322,-304.846 -203.099,-304.623 -203.099,-304.549 -202.84,-304.289 D16.2@-202.54,-304.289 ; RLY2.4@-210.089,-291.928 -205.72,-291.928 -204.775,-290.982 R43.2@-204.775,-288.417 -203.195,-288.417 -202.972,-288.194 -202.972,-288.115 -202.713,-287.856 D17.2@-202.413,-287.856
  Top Layer w0.762: D13.2@-220.784,-254.305 -220.784,-251.123 D11.2@-220.784,-249.225 D9.2@-220.784,-244.145 -218.883,-244.145 ; -220.778,-251.13 R36.2@-218.832,-251.13 R40.2@-218.832,-256.21 R26.2@-218.832,-261.417 C36.1@-218.832,-262.814 C34.1@-218.832,-268.275 -218.832,-270.18 ; C32.1@-218.832,-273.609 -218.832,-270.18 ; -218.832,-244.094 R28.2@-218.832,-240.843 -218.832,-239.66 -217.17,-237.998 v4(-217.17,-231.902) ; U11.5@-215.013,-221.143 -214.137,-221.143 -213.69,-220.696 -213.69,-218.542 -214.401,-217.83 C46.1@-214.401,-217.043 -214.389,-217.03 -214.389,-215.151 v6(-214.376,-215.138) ; RLY1.4@-210.1,-308.087 -210.115,-308.102 -214.122,-308.102 -215.646,-306.578 -215.646,-290.068 ; RLY2.4@-210.089,-291.928 -213.786,-291.928 -215.646,-290.068 ; -218.832,-270.18 D10.2@-220.784,-270.18 D12.2@-220.784,-275.641 -220.784,-277.786 -215.646,-282.924 -215.646,-290.068
  Top Layer w1.524: v6@-84.328,-179.578 v6(-84.303,-179.603) F2.2@-77.601,-179.603
  Bottom Layer w0.762: v4(-218.389,-221.144) -217.17,-222.363 v4(-217.17,-231.902)
  Bottom Layer w1.524: v6(-214.376,-215.138) -214.376,-208.863 -212.777,-207.264 -205.486,-207.264 -201.805,-210.945 -121.791,-210.945 -90.449,-179.603 v6(-84.303,-179.603)